# Altium PCB PCB1.PcbDoc
Units mm, origin at the board's own origin, x right, y up, seen from the top; angles counter-clockwise.
Board outline 53.85 x 93.34 mm, 4 copper layers (Top Layer, Int1 (GND), Int2 (PWR), Bottom Layer), stack 1.586 mm thick; 76 components, 75 nets, 303 pads, 94 vias.
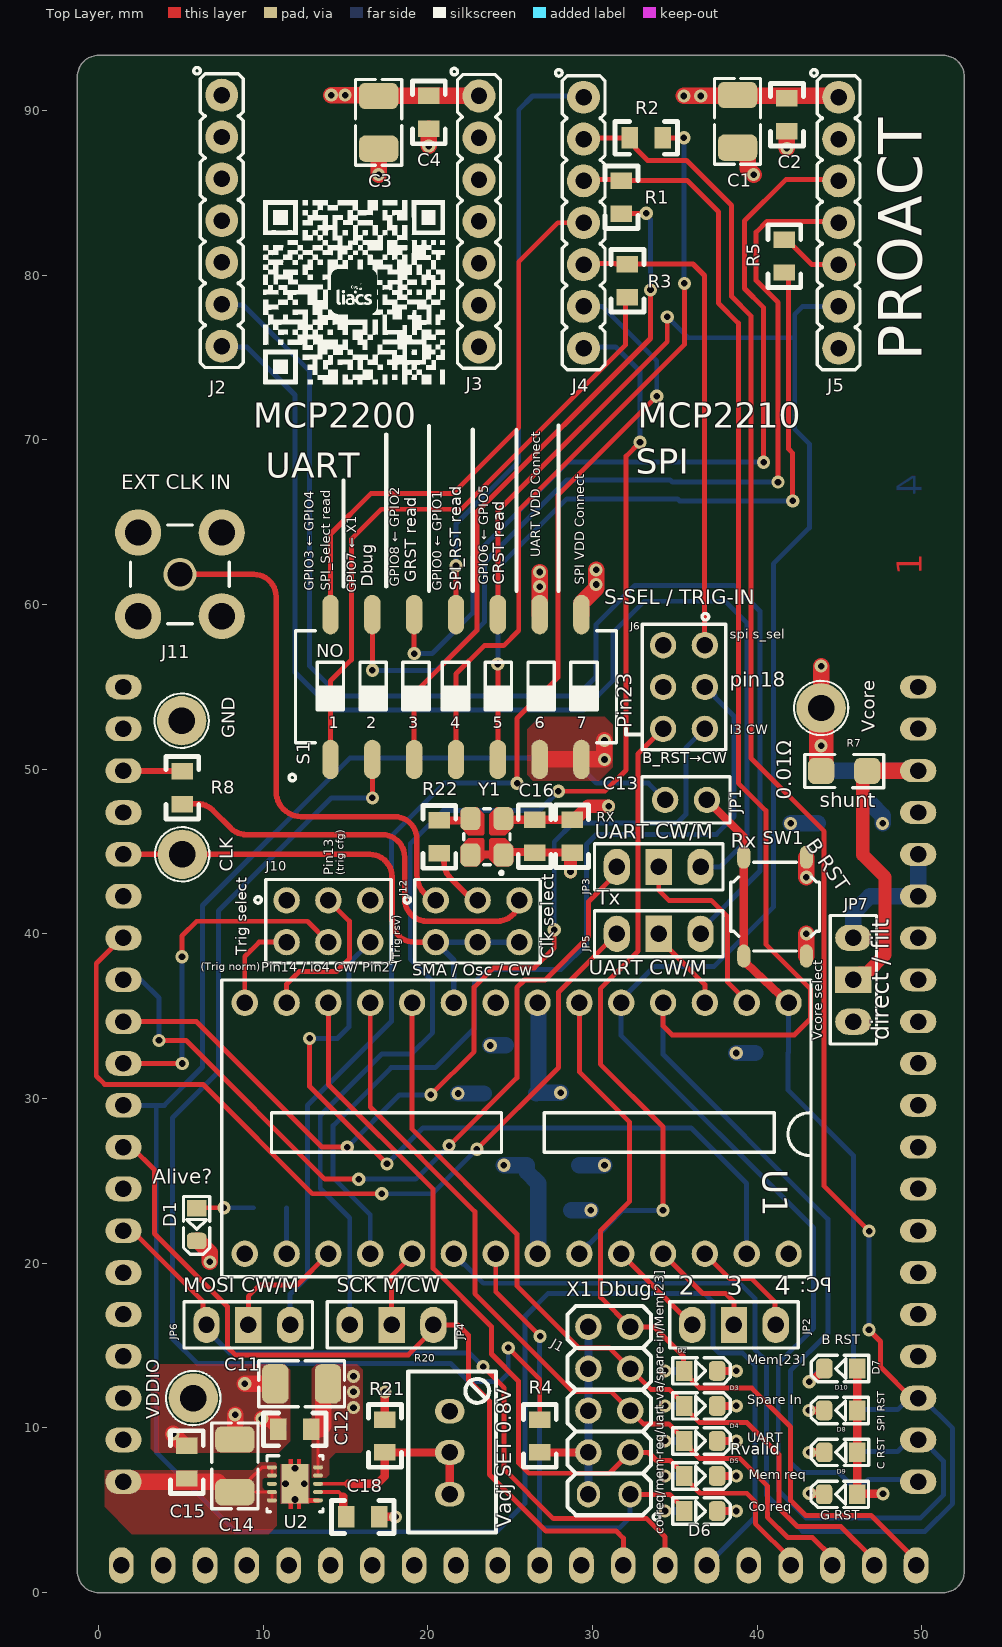
[diagram p0: Top Layer view]
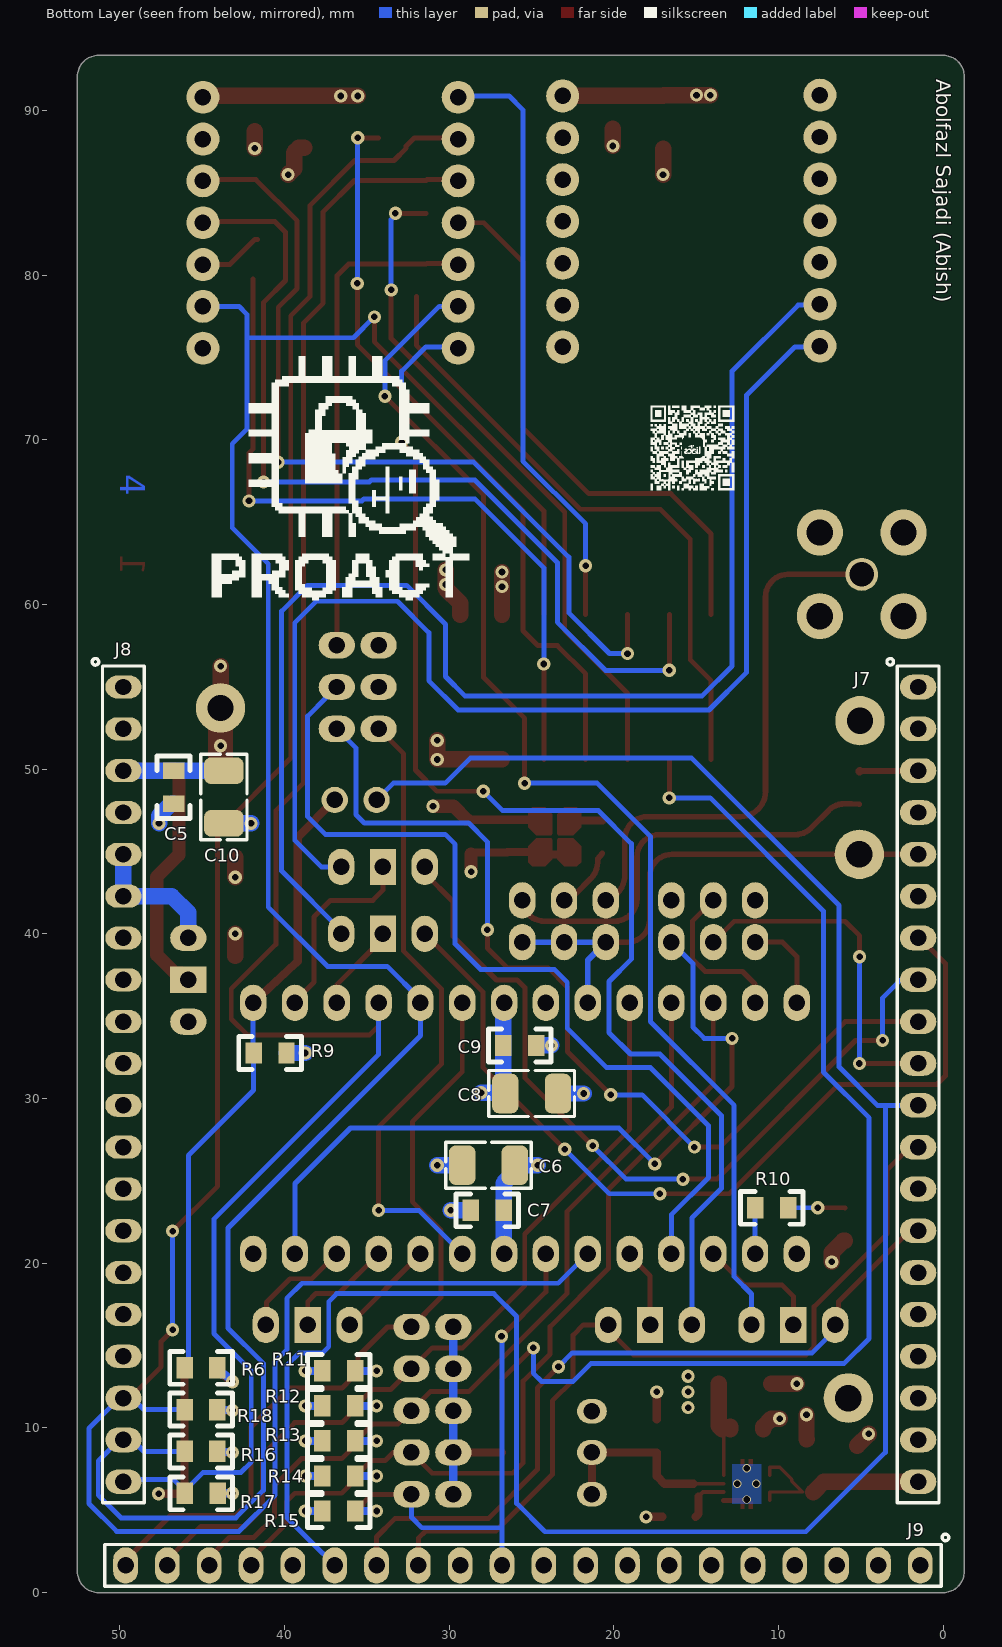
[diagram p1: Bottom Layer view, seen from below]
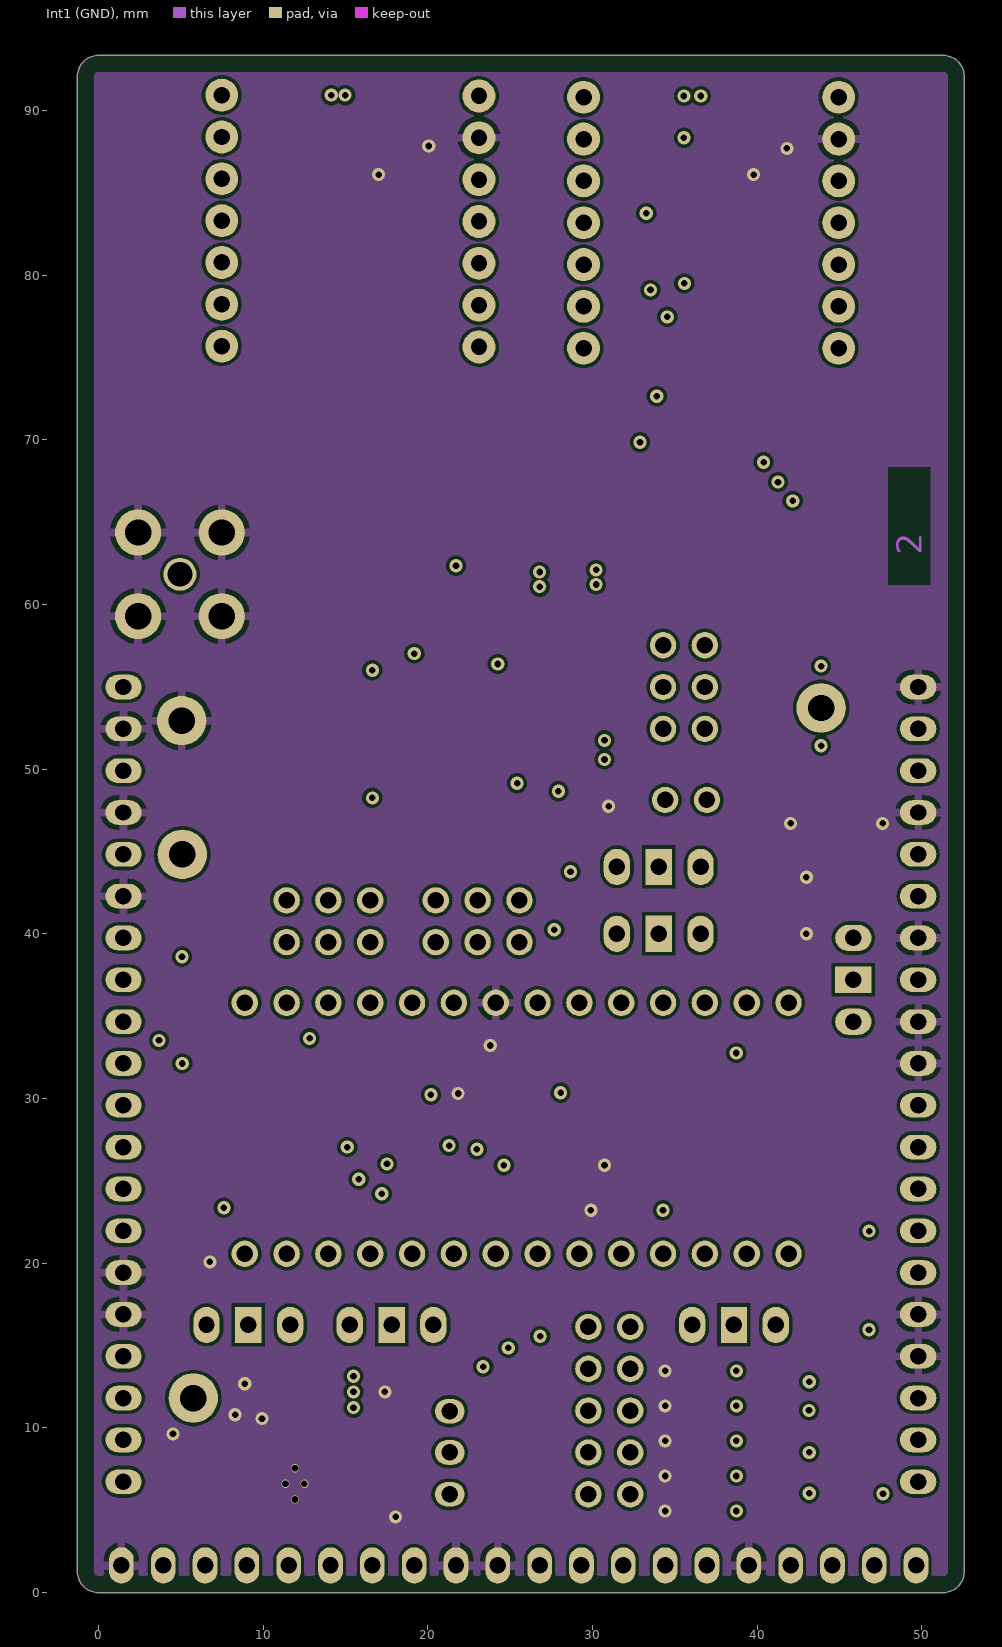
[diagram p2: Int1 (GND)]
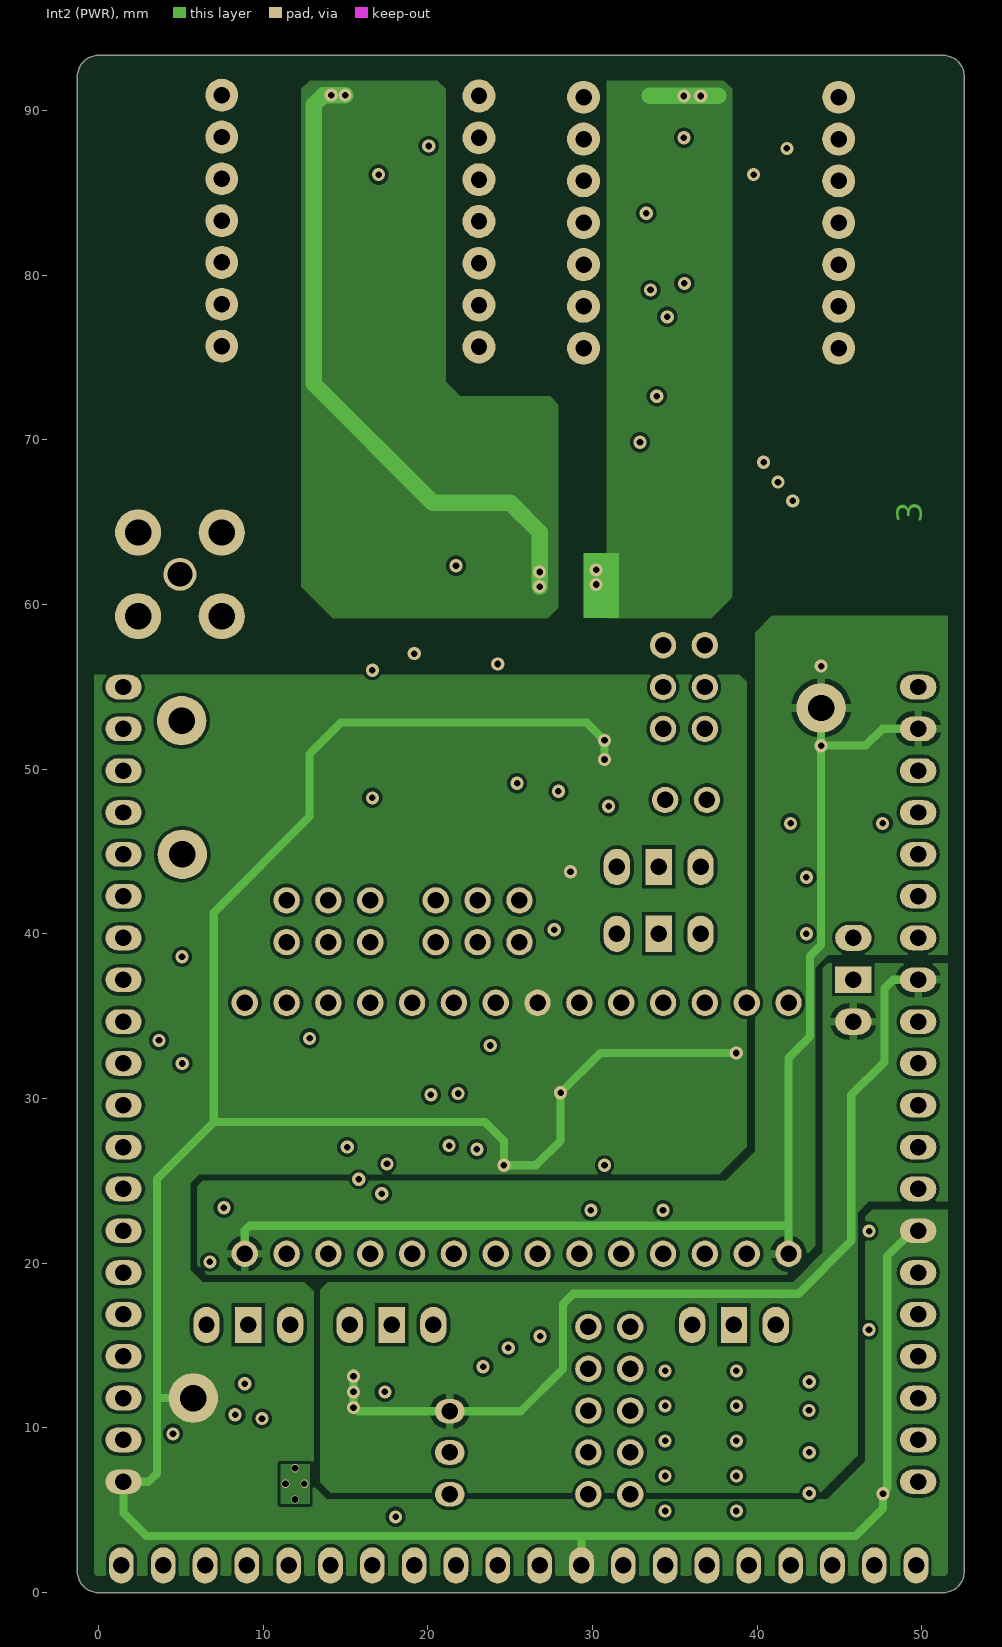
[diagram p3: Int2 (PWR)]

## Layer stack, top to bottom
Top Solder: solder mask 0.0305, SM-001, Dk 3.8
Top Layer: signal copper 0.035
Dielectric 1: prepreg 0.2104, PP-017, Dk 4.4
Int1 (GND): signal copper 0.0152
Dielectric 2: core 1.065, Core-039, Dk 4.6
Int2 (PWR): signal copper 0.0152
Dielectric 3: prepreg 0.2104, PP-017, Dk 4.4
Bottom Layer: signal copper 0.035
Bottom Solder: solder mask 0.0305, SM-001, Dk 3.8

## Board outline
-1.27,1.27 -1.27,92.075 cw(c0,92.075) 0,93.345 51.312,93.345 cw(c51.312,92.075) 52.582,92.075 52.582,1.27 cw(c51.312,1.27) 51.312,0 0,0 cw(c0,1.27)

## Design rules (kind name [scope] priority, off if disabled: settings)
BoardOutlineClearance [All] p1: gap=0.254 ignorepadtopadclearanceinfootprint=FALSE except(0: Arc-SplitContinuation Track-SplitContinuation SMDPad-SplitContinuation THPad-SplitContinuation Via-SplitContinuation Fill-SplitContinuation Poly-SplitContinuation Region-SplitContinuation Text-SplitContinuation; 1: Poly-OutlineEdge)
Clearance [All] p1: gap=0.2 ignorepadtopadclearanceinfootprint=FALSE
PolygonConnect PolygonConnect_VDDIO [InNet('VDDIO')] p1: connectstyle=Direct reliefconductorwidth=0.254 reliefentries=4 polygonreliefangle="90 Angle" airgapwidth=0.254
PolygonConnect [All] p2: thpad.connectstyle=Relief thpad.reliefconductorwidth=0.5 thpad.reliefentries=4 thpad.polygonreliefangle="90 Angle" thpad.airgapwidth=0.3 smdpad.connectstyle=Direct smdpad.reliefconductorwidth=0.254 smdpad.reliefentries=4 smdpad.polygonreliefangle="90 Angle" smdpad.airgapwidth=0.254 via.connectstyle=Direct via.reliefconductorwidth=0.254 via.reliefentries=4 via.polygonreliefangle="90 Angle" via.airgapwidth=0.254
RoutingVias [All] p1: holewidth=0.4 width=0.8 viastyle="Through Hole" minholewidth=0.4 minwidth=0.5 maxholewidth=0.5 maxwidth=1
SolderMaskExpansion [All] p1: expansion=0.102 istentingtop=FALSE
SupplyNets "Schematic Supply Nets_3" [InNet('0.8V')] p1: voltage=0.000
SupplyNets "Schematic Supply Nets_2" [InNet('GND')] p2: voltage=0.000
SupplyNets "Schematic Supply Nets_1" [InNet('Vcore')] p3: voltage=0.000
SupplyNets "Schematic Supply Nets" [InNet('VDDIO')] p4: voltage=0.000
Width "Schematic Width Constraint_2" [InNet('CLK')] p1: maxlimit=0.34 minlimit=0.254 preferedwidth=0.34 toplayer_minwidth=0.34 bottomlayer_minwidth=0.34 impedanceprofiledriven=TRUE impedanceprofileid={11C0C894-751D-460F-A568-1B4AC080CCD7} impedanceprofilevalue=50.000000 minimp=50.000000 maximp=50.000000 favimp=50.000000
Width "Schematic Width Constraint_1" [InNet('NetJ11_1')] p2: maxlimit=0.34 minlimit=0.254 preferedwidth=0.34 toplayer_minwidth=0.34 bottomlayer_minwidth=0.34 impedanceprofiledriven=TRUE impedanceprofileid={11C0C894-751D-460F-A568-1B4AC080CCD7} impedanceprofilevalue=50.000000 minimp=50.000000 maximp=50.000000 favimp=50.000000
Width "Schematic Width Constraint" [InNet('CLK_pin')] p3: maxlimit=0.34 minlimit=0.254 preferedwidth=0.34 toplayer_minwidth=0.34 bottomlayer_minwidth=0.34 impedanceprofiledriven=TRUE impedanceprofileid={11C0C894-751D-460F-A568-1B4AC080CCD7} impedanceprofilevalue=50.000000 minimp=50.000000 maximp=50.000000 favimp=50.000000
Width [All] p4: maxlimit=5 minlimit=0.1 preferedwidth=0.254
30 further rules are at their usual default settings.

## Components (designator, comment, footprint, x,y, rotation, side; value= is the part's Value field where it differs from the comment)
C1 "10uf" C1210 38.989,89.235 r90 top value=10uF
C2 "100nF" C0805 41.91,89.535 r90 top
C3 "10uf" C1210 17.193,89.175 r90 top value=10uF
C4 "100nF" C0805 20.168,89.682 r90 top
C5 "100nF" C0805 46.838,49.111 r270 bottom
C6 "10uf" C1210 27.725,25.781 r180 bottom value=10uF
C7 "100nF" C0805 27.905,23.114 r180 bottom
C8 "10uf" C1210 24.894,30.48 r0 bottom value=10uF
C9 "100nF" C0805 25.529,33.324 r0 bottom
C10 "10uf" C1210 43.517,48.204 r90 bottom value=10uF
C11 "10uf" C1210 12.24,12.505 r0 top value=10uF
C12 "100nF" C0805 11.734,9.815 r0 top
C13 "1uF" C0805 28.675,46.136 r270 top
C14 "10uf" C1210 8.117,7.804 r270 top value=10uF
C15 "100nF" C0805 5.272,8.128 r270 top
C16 "100nF" C0805 26.401,46.136 r270 top
C18 "10nF" C0805 16.256,4.699 r180 top
CLK "TESTPOINT_BIG_BLK1" TPTHD_C_BLK1 5.097,44.831 r0 top value=VALUE
D1 "LED805RED" LED0805RED 5.971,22.352 r270 top
D2 "LED805RED" LED0805RED 36.576,13.462 r0 top
D3 "LED805RED" LED0805RED 36.576,11.335 r0 top
D4 "LED805RED" LED0805RED 36.576,9.207 r0 top
D5 "LED805RED" LED0805RED 36.576,7.08 r0 top
D6 "LED805RED" LED0805RED 36.576,4.953 r0 top
D7 "LED805RED" LED0805RED 45.087,13.606 r180 top
D8 "LED805RED" LED0805RED 45.087,8.515 r180 top
D9 "LED805RED" LED0805RED 45.074,5.969 r180 top
D10 "LED805RED" LED0805RED 45.074,11.061 r180 top
GND "TESTPOINT_BIG_BLK1" TPTHD_C_BLK1 5.061,52.946 r180 top value=VALUE
J1 "HDRM_2X5" HDR_M_2X5 31.029,11.049 r90 top
J2 "HDR1X7" HDR_M_1X7 7.493,83.312 r270 top value=HDRM7
J3 "HDR1X7" HDR_M_1X7 23.116,83.262 r270 top value=HDRM7
J4 "HDR1X7" HDR_M_1X7 29.464,83.185 r270 top value=HDRM7
J5 "HDR1X7" HDR_M_1X7 44.958,83.185 r270 top value=HDRM7
J6 "HDRF_2X3" HDR_F_2X3 35.562,54.991 r270 top
J7 "HDRF20" HDR_F_1X20#1 1.526,30.861 r270 bottom locked
J8 "HDRF20" HDR_F_1X20#2 49.786,30.861 r270 bottom locked
J9 "HDRF20" HDR_F_1X20#1 25.529,1.651 r0 bottom locked
J10 "HDRF_2X3" HDR_F_2X3 13.972,40.767 r0 top
J11 "BNC" MCX5.08-V5 4.955,61.833 r0 top
J12 "HDRF_2X3" HDR_F_2X3 23.032,40.767 r0 top
JP1 "JMPHDR2PIN" JP_2_BLK 35.689,48.133 r180 top
JP2 "JMPHDR3PIN" JP_3 38.597,16.256 r180 top
JP3 "JMPHDR3PIN" JP_3 34.03,44.069 r0 top
JP4 "JMPHDR3PIN" JP_3 17.808,16.256 r180 top
JP5 "JMPHDR3PIN" JP_3 34.03,40.005 r0 top
JP6 "JMPHDR3PIN" JP_3 9.108,16.256 r0 top
JP7 "JMPHDR3PIN" JP_3 45.849,37.211 r270 top
R1 "10k" R0805 31.766,84.725 r270 top
R2 "10k" R0805 33.276,88.342 r0 top
R3 "10k" R0805 32.131,79.645 r270 top
R4 "10k" R0805 26.807,9.499 r270 top
R5 "10k" R0805 41.656,81.153 r270 top
R6 "100R" R0805 45.087,13.651 r0 bottom
R7 "0.01R" R1206 45.341,49.911 r0 top
R8 "100R" R0805 5.097,48.876 r90 top
R9 "10k" R0805 40.896,32.766 r0 bottom
R10 "560R" R0805 10.416,23.368 r180 bottom
R11 "560R" R0805 36.703,13.462 r180 bottom
R12 "560R" R0805 36.703,11.335 r180 bottom
R13 "560R" R0805 36.703,9.207 r180 bottom
R14 "560R" R0805 36.703,7.08 r180 bottom
R15 "560R" R0805 36.703,4.953 r180 bottom
R16 "100R" R0805 45.087,8.571 r0 bottom
R17 "100R" R0805 45.074,6.031 r0 bottom
R18 "100R" R0805 45.087,11.111 r0 bottom
R20 "1K" Pot-a 21.232,8.599 r270 top
R21 "8.2k" R0805 17.399,9.519 r90 top
R22 "20R" R0805 20.704,45.896 r90 top
S1 "DIPSW7" DIPSW254S_7 21.719,54.991 r90 top
SW1 "PUSHBUTTON" SWPBS_SPDT_5X5X1 41.096,41.656 r270 top
U1 "SOCKET_DIP28" DIP28_sckt 25.402,27.559 r270 top
U2 "TPS74801DRCR" DRC0010A 11.94,6.604 r0 top
Vcore "TESTPOINT_BIG_BLK1" TPTHD_C_BLK1 43.891,53.721 r90 top value=VALUE
VDDIO "TESTPOINT_BIG_BLK1" TPTHD_C_BLK1 5.768,11.811 r180 top value=VALUE
Y1 "OSC_50MHz" XTL_4_3225GEN 23.598,45.896 r180 top

## Footprints (in the part's own frame and the unit in brackets; to place one, negate y for a bottom-side part, rotate by r counter-clockwise, add the part's x,y. Pads: shape width x height; smd on the part's side, far side on the other; paste and mask are expansions set on the pad)
C0805 [mm]
  rect 1x1.3 smd mask+0.15: 1(1.2,0.1) 2(-0.8,0.1)
  silkscreen extent -1.7,-0.9 2.1,1.1, body extent -1.2,-0.52 1.6,0.73, height 0.8
C1210 [mm]
  rrect50% 1.6x2.4 smd paste-0.1 mask+0.075: 1(-1.493,0.173) 2(1.707,0.173)
  silkscreen extent -2.49,-1.23 2.71,1.57, body extent -1.49,-1.08 1.71,1.42, height 1
DIP28_sckt [mm]
  round 1.6 / inner round 1.6 / far side oval 2.2x1.6 hole 1: 1(-8.255,16.51) 2(-8.255,13.97) 3(-8.255,11.43) 4(-8.255,8.89) 5(-8.255,6.35) 6(-8.255,3.81) 7(-8.255,1.27) 8(-8.255,-1.27) 9(-8.255,-3.81) 10(-8.255,-6.35) 11(-8.255,-8.89) 12(-8.255,-11.43) 13(-8.255,-13.97) 14(-8.255,-16.51) 15(6.985,-16.51) 16(6.985,-13.97) 17(6.985,-11.43) 18(6.985,-8.89) 19(6.985,-6.35) 20(6.985,-3.81) 21(6.985,-1.27) 22(6.985,1.27) 23(6.985,3.81) 24(6.985,6.35) 25(6.985,8.89) 26(6.985,11.43) 27(6.985,13.97) 28(6.985,16.51)
  silkscreen extent -9.64,-17.9 8.38,17.87
DIPSW254S_7 [mm] "SWITCH DIP 7POS, THD, 2.54mm,"
  oval 2.4x1 smd: 1(-4.4,7.62) 2(-4.4,5.08) 3(-4.4,2.54) 4(-4.4,0) 5(-4.4,-2.54) 6(-4.4,-5.08) 7(-4.4,-7.62) 8(4.4,-7.62) 9(4.4,-5.08) 10(4.4,-2.54) 11(4.4,0) 12(4.4,2.54) 13(4.4,5.08) 14(4.4,7.62)
  silkscreen extent -5.7,-9.75 3.41,10.14, body extent -4.95,-9.62 4.95,9.62, height 4.15
DRC0010A [mm]
  oval 0.6x0.24 smd paste-0.102 mask+0.051: 1(-1.4,1) 2(-1.4,0.5) 3(-1.4,0) 4(-1.4,-0.5) 5(-1.4,-1) 6(1.4,-1) 7(1.4,-0.5) 8(1.4,0) 9(1.4,0.5) 10(1.4,1)
  rect 1.65x2.4 smd paste-1.187 mask+0.051: 11(0,0)
  Top Layer region: 0.135,1.5 0.135,1.1 0.365,1.1 0.365,1.5
  Top Layer region: -0.135,1.1 -0.135,1.5 -0.365,1.5 -0.365,1.1
  Top Layer region: -0.135,-1.5 -0.135,-1.1 -0.365,-1.1 -0.365,-1.5
  Top Layer region: 0.135,-1.1 0.135,-1.5 0.365,-1.5 0.365,-1.1
  silkscreen extent -1.7,-1.7 1.7,1.7
HDR_F_1X20#1 [mm] "Connector; Header; 20 Position"
  oval 1.5x2.2 hole 1: 1(-24.13,0) 2(-21.59,0) 3(-19.05,0) 4(-16.51,0) 5(-13.97,0) 6(-11.43,0) 7(-8.89,0) 8(-6.35,0) 9(-3.81,0) 10(-1.27,0) 11(1.27,0) 12(3.81,0) 13(6.35,0) 14(8.89,0) 15(11.43,0) 16(13.97,0) 17(16.51,0) 18(19.05,0) 19(21.59,0) 20(24.13,0)
  silkscreen extent -25.86,-1.9 25.4,1.27, body extent -25.4,-1.27 25.4,1.27, height 8.5
HDR_F_1X20#2 [mm] "Connector; Header; 20 Position"
  oval 1.4x2.2 / inner oval 1.5x2.2 / far side oval 1.4x2.2 hole 1: 1(-24.13,0) 2(-21.59,0) 3(-19.05,0) 4(-16.51,0) 5(-13.97,0) 6(-11.43,0) 7(-8.89,0) 8(-6.35,0) 9(-3.81,0) 10(-1.27,0) 11(1.27,0) 12(3.81,0) 13(6.35,0) 14(8.89,0) 15(11.43,0) 16(13.97,0) 17(16.51,0)
  oval 1.5x2.2 hole 1: 18(19.05,0) 19(21.59,0) 20(24.13,0)
  silkscreen extent -25.86,-1.9 25.4,1.27, body extent -25.4,-1.27 25.4,1.27, height 8.5
HDR_F_2X3 [mm] "Connector; Header; 3x2 Position"
  round 1.6 / inner round 1.6 / far side oval 1.6x2.2 hole 1: 1(-2.54,1.27) 2(-2.54,-1.27) 3(0,1.27) 4(0,-1.27) 5(2.54,1.27) 6(2.54,-1.27)
  silkscreen extent -4.47,-2.54 3.81,2.54, body extent -3.81,-2.54 3.81,2.54, height 8.5
HDR_M_1X7 [mm] "Connector; Header; 7 Position"
  round 2 hole 1 mask+0.1: 1(-7.62,0) 2(-5.08,0) 3(-2.54,0) 4(0,0) 5(2.54,0) 6(5.08,0) 7(7.62,0)
  silkscreen extent -9.3,-1.7 8.92,1.3, body extent -8.89,-1.3 8.89,1.19, height 8.54
HDR_M_2X5 [mm] "Male Header 2X05 with 2.54 mm Pitch"
  oval 1.6x1.4 / inner round 1.6 / far side oval 1.6x2.2 hole 1: 1(-5.08,-1.27) 2(-5.08,1.27)
  round 1.6 / inner round 1.6 / far side oval 1.6x2.2 hole 1: 3(-2.54,-1.27) 4(-2.54,1.27) 5(0,-1.27) 6(0,1.27) 7(2.54,-1.27) 8(2.54,1.27) 9(5.08,-1.27) 10(5.08,1.27)
  silkscreen extent -6.65,-3.07 6.35,2.54, body extent -6.35,-2.54 6.35,2.54, height 8.43
JP_2_BLK [mm] "Jumper Header 2.54mm Pitch, Vertical, BLACK"
  round 1.6 hole 1: 1(-1.27,0) 2(1.27,0)
  silkscreen extent -2.67,-1.4 2.67,1.4, body extent -2.54,-1.27 2.54,1.27, height 8.57
JP_3 [mm] "Jumper Header 2.54mm Pitch, 3PIN, Vertical"
  oval 1.6x2.2 hole 1: 1(-2.54,0) 3(2.54,0)
  rect 1.6x2.2 hole 1: 2(0,0)
  silkscreen extent -3.9,-1.4 3.9,1.4, body extent -3.82,-1.27 3.8,1.27, height 8.57
LED0805RED [mm] "LED SMD 0805, RED"
  rect 1x1.2 smd paste-2 mask+0.075: 1(-1,0)
  rrect50% 1x1.2 smd paste-2 mask+0.075: 2(1,0)
  Top Layer pour cut-out: -0.5,0.8 0.5,0.8 0.5,-0.8 -0.5,-0.8
  silkscreen extent -1.7,-0.8 1.8,0.8, body extent -1,-0.63 1,0.63, height 0.7
MCX5.08-V5 [mm] "Connector; RF Coaxial, MCX, Thru-Hole; 5 Position; Vertical"
  round 2 hole 1.5: 1(0,0)
  round 2.8 hole 1.6: 2(2.54,-2.54) MH1(-2.54,-2.54) MH1(-2.54,2.54) MH2(2.54,2.54)
  silkscreen extent -3,-3 3,3, body extent -3,-3 3,3, height 5.75
Pot-a [mm] "MultyVar"
  oval 1.5x1.8 hole 1: 1(-2.413,0.104) 2(0.09,0.104) 3(2.63,0.104)
  silkscreen extent -4.83,-2.41 4.95,2.92, body extent -4.54,-2.26 4.66,2.54, height 12.46
R0805 [mm]
  rect 1x1.3 smd mask+0.15: 1(0.99,0) 2(-1.01,0)
  silkscreen extent -1.91,-1 1.89,1, body extent -1.02,-0.61 0.98,0.64, height 0.37
R1206 [mm]
  rrect50% 1.6x1.6 smd paste-0.1 mask+0.075: 1(-1.45,-0.016) 2(1.35,-0.016)
  silkscreen extent -2.45,-1.03 2.35,0.98, body extent -1.73,-0.88 1.62,0.85, height 0.85
SWPBS_SPDT_5X5X1 [mm] "SWITCH, PUSHBUTTON, SMD, SPDT, SKQG Series ; Height 1.5 mm ; 500,000 cycles ; 0.98N Force, SKQGAFE010"
  oval 1.4x0.8 smd mask+0.1: 1(-3,1.9) 2(-3,-1.9) 3(3,-1.9) 4(3,1.9)
  silkscreen extent -2.7,-2.7 2.7,2.7, body extent -3.2,-2.6 3.2,2.6, height 1.53
TPTHD_C_BLK1 [mm] "Thru-hole test point loop, 1.6mm Hole"
  round 3 hole 1.6: 1(0,0)
  silkscreen extent -1.65,-1.65 1.65,1.65, body extent -1.6,-1.6 1.6,1.59, height 8.09
XTL_4_3225GEN [mm] "CRYSTAL OSCILATOR 1.2X1.0mm to 3.2X2.5mm"
  rrect50% 1.2x1.4 smd: 1(-1,1.1) 2(-1,-1.1) 3(1,-1.1) 4(1,1.1)
  Top Layer pour cut-out: -1.6,1.8 -1.6,-1.8 1.6,-1.8 1.6,1.8
  Top Layer region: -0.15,-0.175 -0.225,-0.1 -1.125,-0.1 -1.6,-0.575 -1.6,-1.55 -1.35,-1.8 -0.575,-1.8 -0.15,-1.375
  Top Layer region: 0.15,-0.175 0.225,-0.1 1.125,-0.1 1.6,-0.575 1.6,-1.55 1.35,-1.8 0.575,-1.8 0.15,-1.375
  Top Layer region: 0.15,0.175 0.225,0.1 1.125,0.1 1.6,0.575 1.6,1.55 1.35,1.8 0.575,1.8 0.15,1.375
  Top Layer region: -0.15,0.175 -0.225,0.1 -1.125,0.1 -1.6,0.575 -1.6,1.55 -1.35,1.8 -0.575,1.8 -0.15,1.375
  silkscreen extent -1.4,-1.7 1.4,2.29, body extent -1.25,-1.6 1.25,1.6, height 0.61

## Part data
C1 C2 C3 C4 C5 C6 C7 C8 C9 C10 C11 C12 C13 C14 C15 C16 C18: library part cap_SMD, "smd capacitor 1206"